# Altium PCB AX7021B.PcbDoc (part 3 of 6) (continued)
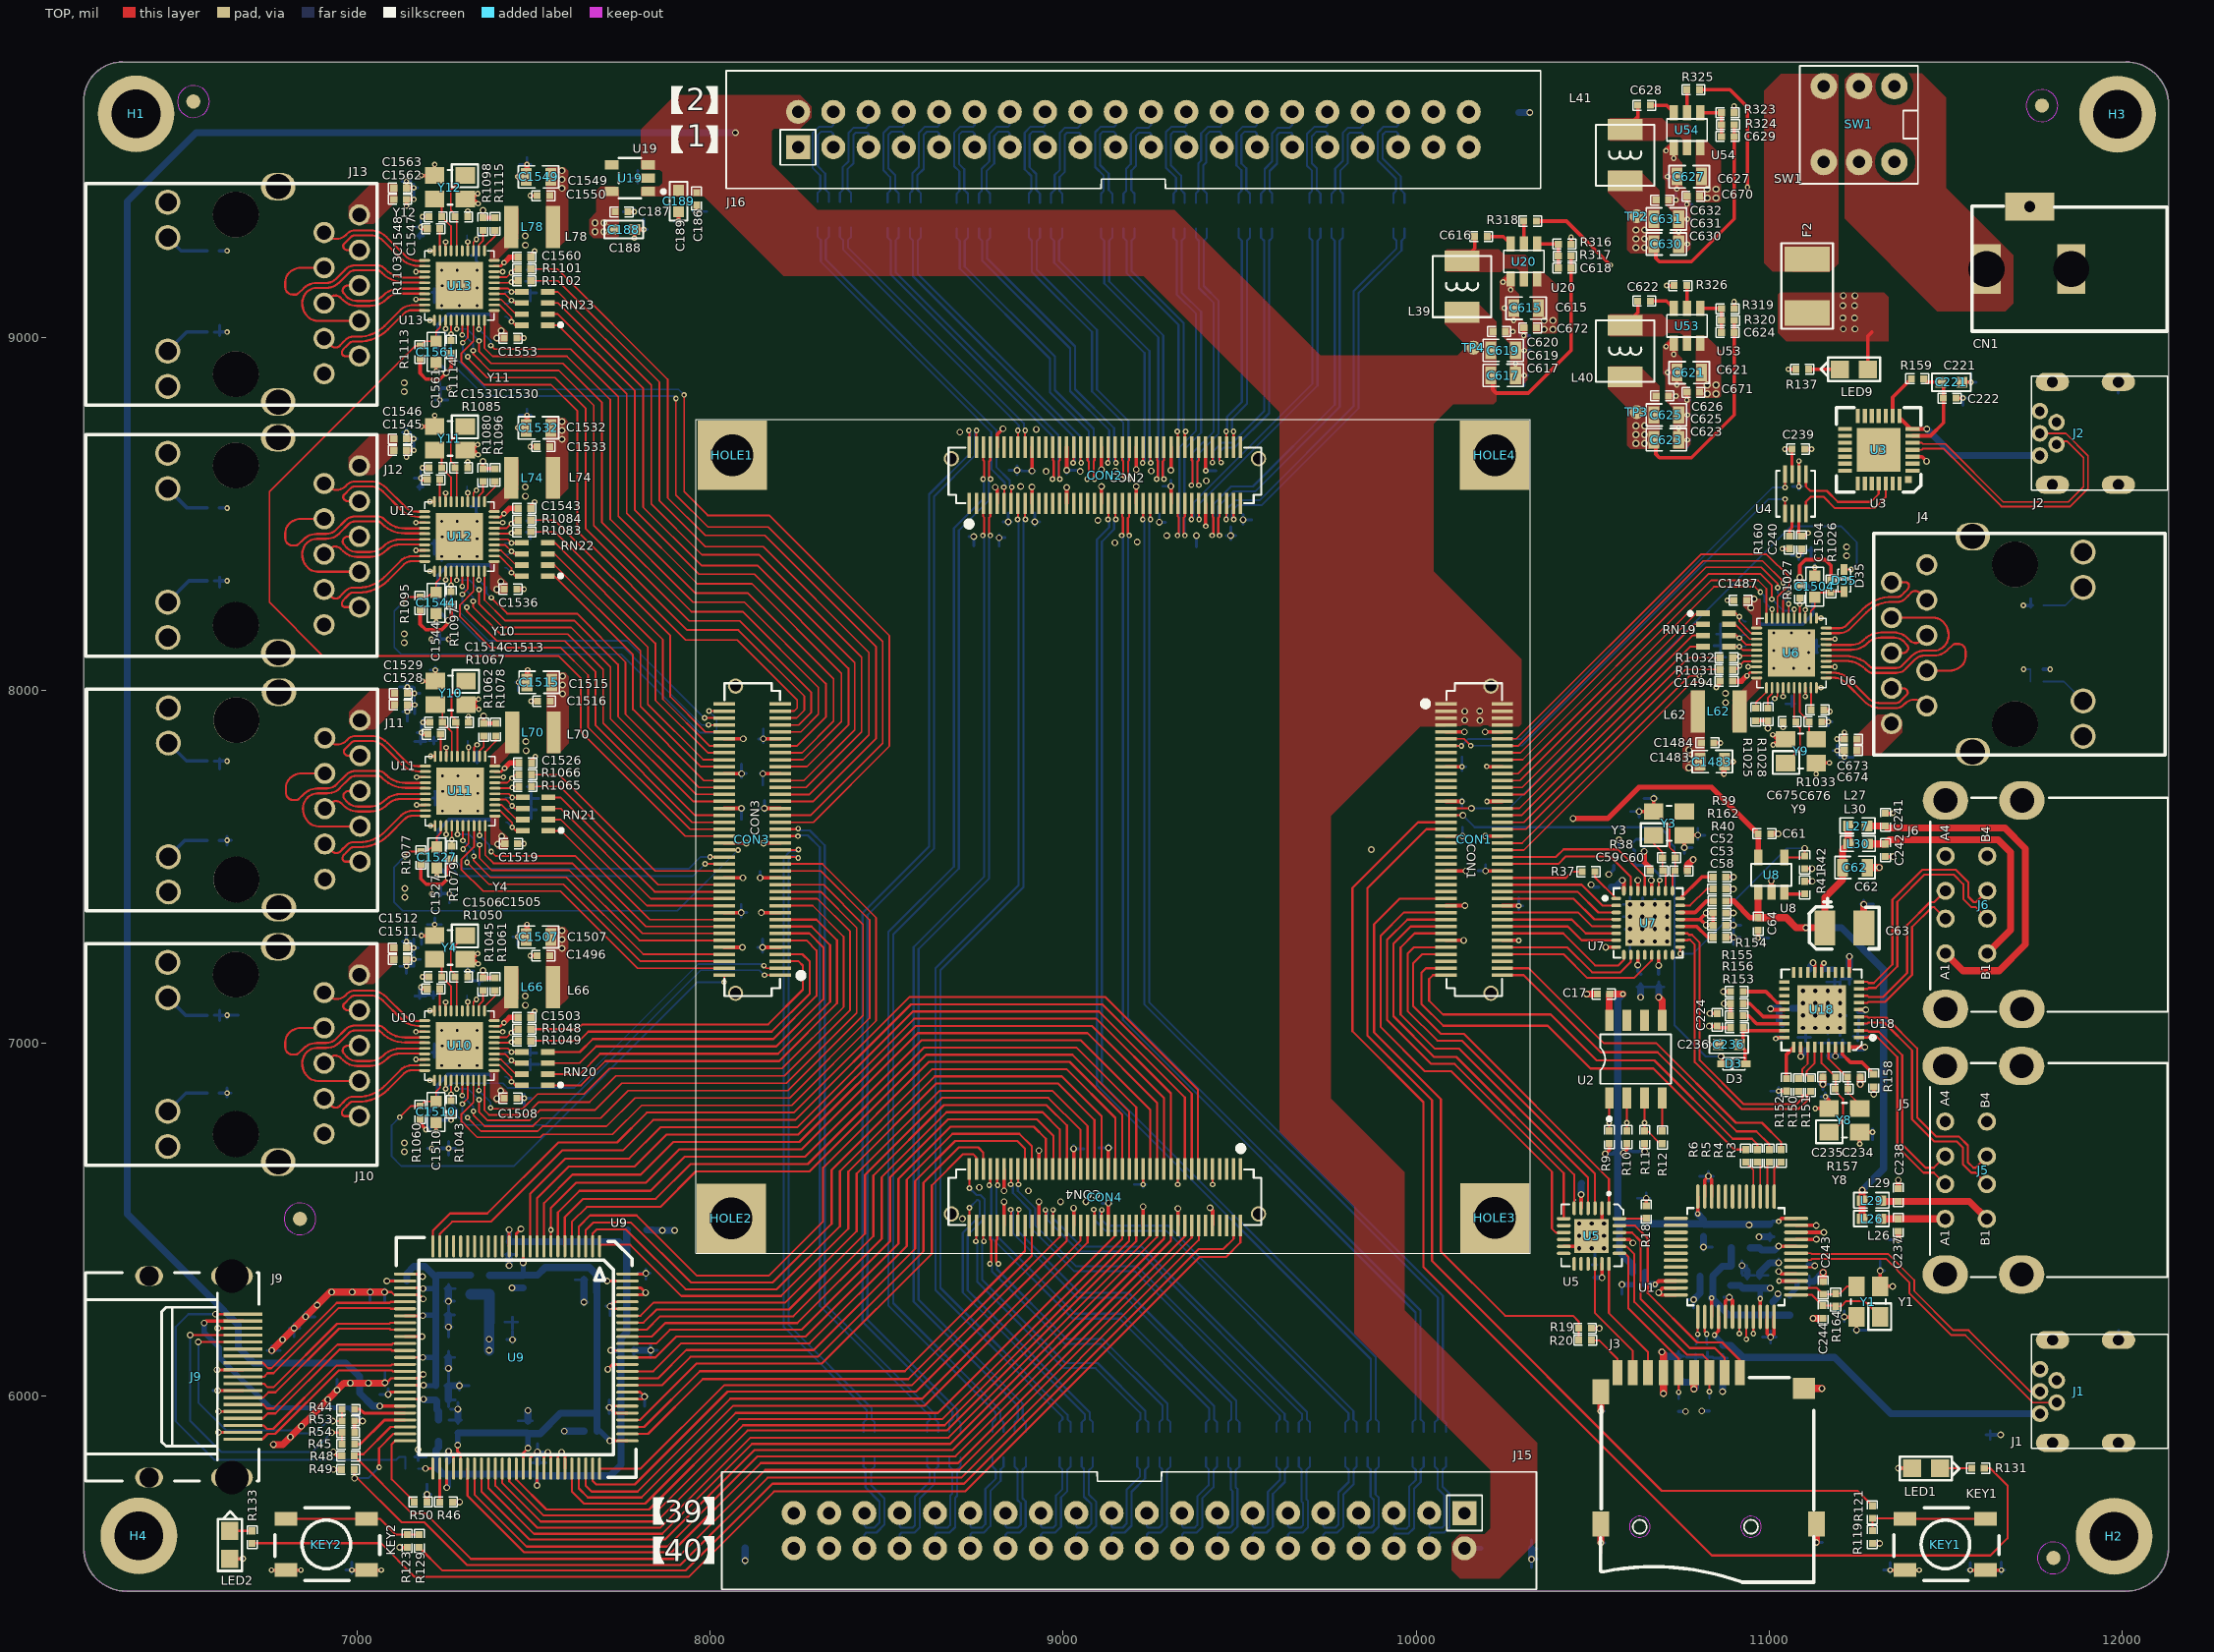
[diagram p0: TOP view]
## Nets (pads, with @x,y where several pads share a name; then routed paths per layer and width w, separated by ;. In a path a pad name is that pad's centre, name@x,y a point inside that pad or via, vN(x,y) a via of type N, cw(c..) or ccw(c..) an arc to the next point about the centre after c; other vN are vias at no path point) (continued)
v2(8148.62,7272.1) ; 8149.49,7732.32 v2(8149.49,7764.23) ; v2@8149.49,7771.88 v2(8149.49,7764.23) ; 8150.61,7852.2 v2(8150.61,7862.65) ; 8150.61,7889.58 v2(8150.61,7862.65) ; v2@8153.76,7657.36 v2(8153.76,7665.8) ; 8153.76,7688.44 v2(8153.76,7665.8) ; v2@8157.17,7764.23 v2(8149.49,7764.23) ; 8161.06,7862.65 v2(8150.61,7862.65) ; v2@8162.2,7665.8 v2(8153.76,7665.8) ; 8163.34,7468.95 v2(8141.77,7468.95) ; 8164.48,7272.1 v2(8148.62,7272.1) ; J15.37@8311.25,5669.85 J15.37@8337.04,5669.85 ; J15.37@8337.04,5662.75 J15.37@8337.04,5669.85 ; J15.37@8337.04,5683.66 J15.37@8337.04,5669.85 ; J15.37@8344.14,5669.85 J15.37@8337.04,5669.85 ; 8733.73,8435.32 v2(8746.7,8435.32) ; 8746.7,8408.69 v2(8746.7,8435.32) ; v2@8746.7,8441.83 v2(8746.7,8435.32) ; v2@8753.21,8435.32 v2(8746.7,8435.32) ; v2@8811.6,8432.32 v2(8818.7,8432.32) ; 8818.7,8409.43 v2(8818.7,8432.32) ; v2@8818.7,8441.09 v2(8818.7,8432.32) ; 8830.01,8477.32 v2(8844.7,8477.32) ; 8835.41,8432.32 v2(8818.7,8432.32) ; 8844.7,8467.09 v2(8844.7,8477.32) ; 8844.7,8502.23 v2(8844.7,8477.32) ; 8846.6,8623.32 v2(8869.7,8623.32) ; v2@8853.47,8477.32 v2(8844.7,8477.32) ; 8869.7,8610.89 v2(8869.7,8623.32) ; 8869.7,8635.62 v2(8869.7,8623.32) ; 8882,8623.32 v2(8869.7,8623.32) ; 8884,8621.32 v2(8911.71,8621.32) ; v2@8910.84,8477.32 v2(8919.7,8477.32) ; v2@8911.71,8613.3 v2(8911.71,8621.32) ; 8911.71,8633.2 v2(8911.71,8621.32) ; 8919.7,8466.83 v2(8919.7,8477.32) ; 8919.7,8502.49 v2(8919.7,8477.32) ; v2@8919.73,8621.32 v2(8911.71,8621.32) ; 8934.12,8477.32 v2(8919.7,8477.32) ; v2@9005.72,8623.32 v2(9010.13,8623.32) ; v2@9010.13,8613.98 v2(9010.13,8623.32) ; v2@9010.13,8632.52 v2(9010.13,8623.32) ; v2@9021.77,6701.64 v2(9029.82,6701.64) ; v2@9029.82,6693.59 v2(9029.82,6701.64) ; 9029.82,6711.91 v2(9029.82,6701.64) ; v2@9040.39,8623.32 v2(9010.13,8623.32) ; 9059.15,6701.64 v2(9029.82,6701.64) ; 9101.32,6704.22 v2(9128.24,6704.22) ; 9110.54,6547.32 v2(9128.24,6547.32) ; 9128.24,6533.14 v2(9128.24,6547.32) ; v2@9128.24,6555.57 v2(9128.24,6547.32) ; 9128.24,6691.54 v2(9128.24,6704.22) ; 9128.24,6713.96 v2(9128.24,6704.22) ; v2@9136.49,6547.32 v2(9128.24,6547.32) ; 9137.98,6704.22 v2(9128.24,6704.22) ; 9202.18,6600.43 v1(9226.67,6600.43) ; 9226.67,6591.98 v1(9226.67,6600.43) ; 9226.67,6615.53 v1(9226.67,6600.43) ; 9235.12,6600.43 v1(9226.67,6600.43) ; v2@9266.59,8476.32 v2(9272.7,8476.32) ; v2@9272.7,8470.21 v2(9272.7,8476.32) ; 9272.7,8499.11 v2(9272.7,8476.32) ; 9283.51,8578.19 v2(9305.41,8578.19) ; 9289.51,8476.32 v2(9272.7,8476.32) ; v2@9305.41,8571.42 v2(9305.41,8578.19) ; 9305.41,8595.89 v2(9305.41,8578.19) ; v2@9310.68,8578.19 v2(9305.41,8578.19) ; v2@9370.3,8438.32 v2(9377.7,8438.32) ; 9377.7,8406.12 v2(9377.7,8438.32) ; v2@9377.7,8444.4 v2(9377.7,8438.32) ; v2@9383.78,8438.32 v2(9377.7,8438.32) ; v1@9399.72,8622.32 v1(9403.83,8622.32) ; v1@9403.83,8616.26 v1(9403.83,8622.32) ; v1@9403.83,8630.24 v1(9403.83,8622.32) ; 9433.01,8622.32 v1(9403.83,8622.32) ; 9462.98,8438.32 v2(9474.7,8438.32) ; 9474.7,8426.6 v2(9474.7,8438.32) ; 9474.7,8463.52 v2(9474.7,8438.32) ; 9489.09,8438.32 v2(9474.7,8438.32) ; v2@9502.69,8483.32 v2(9509.7,8483.32) ; 9509.7,8470.8 v2(9509.7,8483.32) ; 9509.7,8498.52 v2(9509.7,8483.32) ; 9534.09,8483.32 v2(9509.7,8483.32) ; J16.37@10034.75,9538.35 J16.37@10049.04,9538.35 ; J16.37@10049.04,9515.37 J16.37@10049.04,9538.35 ; J16.37@10049.04,9552.64 J16.37@10049.04,9538.35 ; J16.37@10065.66,9538.35 J16.37@10049.04,9538.35 ; 10116.25,7587.06 v2(10131.4,7587.06) ; 10117.68,7783.62 v1(10129.84,7783.62) ; v1@10122.32,7685.62 v1(10129.84,7685.62) ; 10129.84,7666.48 v1(10129.84,7685.62) ; v1@10129.84,7692.26 v1(10129.84,7685.62) ; 10129.84,7772.33 v1(10129.84,7783.62) ; 10129.84,7811.06 v1(10129.84,7783.62) ; 10131.4,7575.9 v2(10131.4,7587.06) ; 10131.4,7611.51 v2(10131.4,7587.06) ; v1@10136.48,7685.62 v1(10129.84,7685.62) ; 10141.13,7783.62 v1(10129.84,7783.62) ; 10142.56,7587.06 v2(10131.4,7587.06) ; 10175.07,7488.64 v2(10196.86,7488.64) ; v2@10196.86,7482.97 v2(10196.86,7488.64) ; 10196.86,7506.45 v2(10196.86,7488.64) ; v2@10202.53,7488.64 v2(10196.86,7488.64) ; HOLE3.1@10209.06,6505.22 HOLE3.1@10223.1,6505.22 ; HOLE3.1@10223.1,6490.26 HOLE3.1@10223.1,6505.22 ; HOLE3.1@10223.1,6519.26 HOLE3.1@10223.1,6505.22 ; HOLE3.1@10247.74,6505.22 HOLE3.1@10223.1,6505.22 ; 10274.09,7389.62 v1(10290.84,7389.62) ; 10290.58,8962.62 v1(10306.1,8962.62) ; 10290.84,7378.96 v1(10290.84,7389.62) ; 10290.84,7412.47 v1(10290.84,7389.62) ; 10293.01,9004.65 v1(10305.1,9004.65) ; v1@10299.08,8891.92 v1(10306.04,8891.92) ; 10301.5,7389.62 v1(10290.84,7389.62) ; 10305.1,8982.13 v1(10305.1,9004.65) ; 10305.1,9016.74 v1(10305.1,9004.65) ; 10306.04,8862.4 v1(10306.04,8891.92) ; v1@10306.04,8898.88 v1(10306.04,8891.92) ; 10306.1,8941.53 v1(10306.1,8962.62) ; 10306.1,8978.14 v1(10306.1,8962.62) ; 10316.12,8891.92 v1(10306.04,8891.92) ; v2@10321.06,5538.85 v2(10327.04,5538.85) ; C190.2@10321.06,5568.85 C190.2@10327.04,5568.85 ; 10322.18,9004.65 v1(10305.1,9004.65) ; 10324.61,8962.62 v1(10306.1,8962.62) ; 10327.04,5515.16 v2(10327.04,5538.85) ; 10327.04,5593.65 C190.2@10327.04,5568.85 ; 10341.83,5568.85 C190.2@10327.04,5568.85 ; 10342.95,5538.85 v2(10327.04,5538.85) ; 10451.9,6419.85 v2(10462.04,6419.85) ; 10462.04,6409.71 v2(10462.04,6419.85) ; 10462.04,6441.42 v2(10462.04,6419.85) ; 10480.07,6419.85 v2(10462.04,6419.85) ; C23.2@10498.93,6372.82 C23.2@10506.54,6372.82 ; C23.2@10506.54,6367.12 C23.2@10506.54,6372.82 ; 10506.54,6404.81 C23.2@10506.54,6372.82 ; 10510.47,6489.85 v2(10532.04,6489.85) ; C23.2@10512.24,6372.82 C23.2@10506.54,6372.82 ; v2@10516.53,5585.15 v2(10523.34,5585.15) ; v2@10517.62,5958.15 v2(10523.34,5958.15) ; 10523.34,5556.45 v2(10523.34,5585.15) ; v2@10523.34,5591.96 v2(10523.34,5585.15) ; v2@10523.34,5952.43 v2(10523.34,5958.15) ; 10523.34,5987.95 v2(10523.34,5958.15) ; 10532.04,6471.82 v2(10532.04,6489.85) ; v2@10532.04,6498.1 v2(10532.04,6489.85) ; 10533.14,5958.15 v2(10523.34,5958.15) ; 10534.24,5585.15 v2(10523.34,5585.15) ; v2@10540.29,6489.85 v2(10532.04,6489.85) ; v2@10575.06,6316.85 v2(10582.75,6316.85) ; 10582.75,6289 v2(10582.75,6316.85) ; v2@10582.75,6324.54 v2(10582.75,6316.85) ; 10586.65,7393.85 v2(10606.04,7393.85) ; 10587.51,7358.85 v2(10606.04,7358.85) ; 10592.11,7323.85 v2(10606.04,7323.85) ; v2@10596.71,7288.85 v2(10606.04,7288.85) ; 10606.04,7258.58 v2(10606.04,7288.85) ; v2@10606.04,7295.26 v2(10606.04,7288.85) ; v2@10606.04,7298.18 v2(10606.04,7323.85) ; 10606.04,7334.86 v2(10606.04,7323.85) ; 10606.04,7337.78 v2(10606.04,7358.85) ; 10606.04,7374.46 v2(10606.04,7358.85) ; 10606.04,7377.38 v2(10606.04,7393.85) ; 10606.04,7414.05 v2(10606.04,7393.85) ; 10608.22,7656.74 v2(10631.75,7656.74) ; v2@10612.45,7288.85 v2(10606.04,7288.85) ; 10617.05,7323.85 v2(10606.04,7323.85) ; 10621.65,7358.85 v2(10606.04,7358.85) ; 10622.51,7393.85 v2(10606.04,7393.85) ; C54.2@10626.1,7159.85 C54.2@10636.04,7159.85 ; 10626.24,7393.85 v2(10641.04,7393.85) ; 10627.03,6561.51 v2(10651.85,6561.51) ; 10627.11,7358.85 v2(10641.04,7358.85) ; v2@10631.71,7323.85 v2(10641.04,7323.85) ; 10631.75,7640.67 v2(10631.75,7656.74) ; v2@10631.75,7665.53 v2(10631.75,7656.74) ; C54.2@10636.04,7169.79 C54.2@10636.04,7159.85 ; v2@10639.78,7543.85 v2(10646.04,7543.85) ; v2@10640.54,7656.74 v2(10631.75,7656.74) ; 10641.04,7299.86 v2(10641.04,7323.85) ; v2@10641.04,7333.18 v2(10641.04,7323.85) ; 10641.04,7339.46 v2(10641.04,7358.85) ; 10641.04,7372.78 v2(10641.04,7358.85) ; 10641.04,7379.05 v2(10641.04,7393.85) ; 10641.04,7412.38 v2(10641.04,7393.85) ; 10645.24,7693.76 v2(10673.05,7693.76) ; v2@10646.04,7536.17 v2(10646.04,7543.85) ; 10646.04,7557.12 v2(10646.04,7543.85) ; v2@10651.85,6552.03 v2(10651.85,6561.51) ; 10651.85,6576.28 v2(10651.85,6561.51) ; v2@10653.72,7543.85 v2(10646.04,7543.85) ; 10656.65,7323.85 v2(10641.04,7323.85) ; 10661.24,7358.85 v2(10641.04,7358.85) ; v2@10661.33,6561.51 v2(10651.85,6561.51) ; 10662.11,7393.85 v2(10641.04,7393.85) ; 10662.25,7159.85 C54.2@10636.04,7159.85 ; 10665.7,7159.85 C56.2@10687.04,7159.85 ; 10665.84,7393.85 v2(10676.04,7393.85) ; v2@10666.71,7358.85 v2(10676.04,7358.85) ; 10673.05,7681.97 v2(10673.05,7693.76) ; 10673.05,7703.43 v2(10673.05,7693.76) ; 10676.04,7344.05 v2(10676.04,7358.85) ; v2@10676.04,7368.18 v2(10676.04,7358.85) ; 10676.04,7383.65 v2(10676.04,7393.85) ; 10676.04,7407.78 v2(10676.04,7393.85) ; 10682.72,7693.76 v2(10673.05,7693.76) ; 10687.04,7174.66 C56.2@10687.04,7159.85 ; 10700.84,7358.85 v2(10676.04,7358.85) ; v2@10701.71,7393.85 v2(10676.04,7393.85) ; 10701.85,7159.85 C56.2@10687.04,7159.85 ; 10703.58,8900.43 v1(10712.61,8900.43) ; 10703.94,9455.18 v1(10712.61,9455.18) ; 10712.61,8891.4 v1(10712.61,8900.43) ; 10712.61,8909.47 v1(10712.61,8900.43) ; 10712.61,9445.77 v1(10712.61,9455.18) ; 10712.61,9463.85 v1(10712.61,9455.18) ; v1@10730.14,9388.65 v1(10736.14,9388.65) ; v1@10736.14,9382.65 v1(10736.14,9388.65) ; 10736.14,9408.18 v1(10736.14,9388.65) ; 10742.8,9455.18 v1(10712.61,9455.18) ; 10743.16,8900.43 v1(10712.61,8900.43) ; 10743.51,6089.32 C22.2@10743.51,6113.51 ; C22.2@10743.51,6128.24 C22.2@10743.51,6113.51 ; 10744.04,8822.11 v1(10767.14,8822.11) ; 10744.36,9334.83 v1(10768.14,9334.83) ; 10744.42,9376.86 v1(10767.14,9376.86) ; 10744.74,8780.08 v1(10768.14,8780.08) ; 10750.1,8709.38 v1(10768.08,8709.38) ; 10750.48,9264.13 v1(10768.08,9264.13) ; v2@10750.98,7554.56 v2(10759.67,7554.56) ; 10756.21,9388.65 v1(10736.14,9388.65) ; C22.2@10758.24,6113.51 C22.2@10743.51,6113.51 ; 10759.67,7537.61 v2(10759.67,7554.56) ; 10759.67,7570.6 v2(10759.67,7554.56) ; 10765.25,6111.06 C4.1@10791.52,6111.06 ; 10767.14,8805.61 v1(10767.14,8822.11) ; 10767.14,8830.81 v1(10767.14,8822.11) ; 10767.14,9359.98 v1(10767.14,9376.86) ; 10767.14,9391.24 v1(10767.14,9376.86) ; 10768.08,8687.76 v1(10768.08,8709.38) ; v1@10768.08,8717.14 v1(10768.08,8709.38) ; 10768.08,9255.54 v1(10768.08,9264.13) ; v1@10768.08,9271.51 v1(10768.08,9264.13) ; 10768.14,8767.01 v1(10768.14,8780.08) ; 10768.14,8796.27 v1(10768.14,8780.08) ; 10768.14,9321.39 v1(10768.14,9334.83) ; 10768.14,9350.65 v1(10768.14,9334.83) ; 10769.65,6273.85 v2(10786.04,6273.85) ; v1@10775.46,9264.13 v1(10768.08,9264.13) ; v1@10775.84,8709.38 v1(10768.08,8709.38) ; 10775.84,8822.11 v1(10767.14,8822.11) ; 10781.21,8780.08 v1(10768.14,8780.08) ; 10781.52,9376.86 v1(10767.14,9376.86) ; 10781.58,9334.83 v1(10768.14,9334.83) ; 10782.32,7554.56 v2(10759.67,7554.56) ; 10786.04,6250.65 v2(10786.04,6273.85) ; 10786.04,6283.7 v2(10786.04,6273.85) ; 10786.66,7589.82 v2(10798.09,7589.82) ; 10791.52,6097.73 C4.1@10791.52,6111.06 ; C4.1@10791.52,6119.83 C4.1@10791.52,6111.06 ; 10795.89,6273.85 v2(10786.04,6273.85) ; 10798.09,7578.39 v2(10798.09,7589.82) ; 10798.09,7609.02 v2(10798.09,7589.82) ; C4.1@10800.29,6111.06 C4.1@10791.52,6111.06 ; 10802.86,6623.85 v2(10828.04,6623.85) ; 10804.85,6111.06 C3.1@10825.04,6111.06 ; v2@10805.28,6422.85 v2(10814.04,6422.85) ; v2@10814.04,6414.09 v2(10814.04,6422.85) ; 10818.48,7589.82 v2(10798.09,7589.82) ; 10825.04,6091.66 C3.1@10825.04,6111.06 ; 10825.04,6125.91 C3.1@10825.04,6111.06 ; 10828.04,6609.43 v2(10828.04,6623.85) ; 10828.04,6637.68 v2(10828.04,6623.85) ; 10839.45,6422.85 v2(10814.04,6422.85) ; 10839.89,6111.06 C3.1@10825.04,6111.06 ; 10841.87,6623.85 v2(10828.04,6623.85) ; 10842.23,6108.85 C1.2@10868.04,6108.85 ; 10843.82,8126.62 R1036.1@10862.21,8126.62 ; 10847.47,8093.98 R1042.1@10862.21,8093.98 ; 10850.78,8159.26 R1037.1@10862.21,8159.26 ; R1041.1@10854.43,8061.34 R1041.1@10862.21,8061.34 ; 10862.21,8029.53 R1041.1@10862.21,8061.34 ; R1041.1@10862.21,8068.64 R1041.1@10862.21,8061.34 ; R1041.1@10862.21,8069.12 R1042.1@10862.21,8093.98 ; 10862.21,8108.23 R1042.1@10862.21,8093.98 ; 10862.21,8108.72 R1036.1@10862.21,8126.62 ; 10862.21,8147.83 R1036.1@10862.21,8126.62 ; 10862.21,8148.32 R1037.1@10862.21,8159.26 ; 10862.21,8187.43 R1037.1@10862.21,8159.26 ; C1.2@10868.04,6118.84 C1.2@10868.04,6108.85 ; R1041.1@10869.51,8061.34 R1041.1@10862.21,8061.34 ; 10871.94,6280.85 v2(10887.04,6280.85) ; 10873.15,8159.26 R1037.1@10862.21,8159.26 ; 10876.46,8093.98 R1042.1@10862.21,8093.98 ; 10877.2,8126.62 R1036.1@10862.21,8126.62 ; 10881.7,6108.85 C1.2@10868.04,6108.85 ; 10885.58,7300.53 v2(10898.5,7300.53) ; v2@10887.04,6272.45 v2(10887.04,6280.85) ; v2@10887.04,6288.34 v2(10887.04,6280.85) ; 10887.62,7334.91 v2(10898.5,7334.91) ; v2@10895.44,6280.85 v2(10887.04,6280.85) ; 10898.5,7279.99 v2(10898.5,7300.53) ; 10898.5,7313.45 v2(10898.5,7300.53) ; 10898.5,7319.58 v2(10898.5,7334.91) ; 10898.5,7353.05 v2(10898.5,7334.91) ; 10917.55,7300.53 v2(10898.5,7300.53) ; v2@10918.56,6370.85 v2(10923.04,6370.85) ; 10919.96,7334.91 v2(10898.5,7334.91) ; 10923.04,6348.05 v2(10923.04,6370.85) ; 10923.04,6384.29 v2(10923.04,6370.85) ; 10924.88,6342.85 C10.2@10938.04,6342.85 ; 10936.48,6370.85 v2(10923.04,6370.85) ; C10.2@10938.04,6332.86 C10.2@10938.04,6342.85 ; 10957.44,6342.85 C10.2@10938.04,6342.85 ; v1@10962.31,7298.07 v1(10968.7,7298.07) ; C16.2@10964.48,6342.85 C16.2@10973.04,6342.85 ; 10968.7,7288.98 v1(10968.7,7298.07) ; v1@10968.7,7304.46 v1(10968.7,7298.07) ; C16.2@10973.04,6334.29 C16.2@10973.04,6342.85 ; 10981.09,6167.85 v2(11004.04,6167.85) ; 10997.04,6342.85 C16.2@10973.04,6342.85 ; 10999.21,7298.07 v1(10968.7,7298.07) ; 11002.04,6440.86 C11.2@11002.04,6451.85 ; C11.2@11002.04,6461.84 C11.2@11002.04,6451.85 ; 11004.04,6151.86 v2(11004.04,6167.85) ; 11004.04,6184.5 v2(11004.04,6167.85) ; 11004.17,6864.75 v1(11026.5,6864.75) ; 11013.88,6451.85 C11.2@11002.04,6451.85 ; 11020.03,6167.85 v2(11004.04,6167.85) ; 11026.37,8074.89 C1492.2@11045.5,8074.89 ; 11026.5,6847.49 v1(11026.5,6864.75) ; 11026.5,6874.8 v1(11026.5,6864.75) ; v2@11027.04,6372.85 v2(11027.04,6378.85) ; 11027.04,6389.06 v2(11027.04,6378.85) ; v2@11033.04,6378.85 v2(11027.04,6378.85) ; 11036.55,6864.75 v1(11026.5,6864.75) ; C1492.2@11045.5,8054.42 C1492.2@11045.5,8074.89 ; C1492.2@11045.5,8083.34 C1492.2@11045.5,8074.89 ; 11048.21,7961.83 C1488.2@11064.73,7961.83 ; C1492.2@11053.95,8074.89 C1492.2@11045.5,8074.89 ; 11063.47,8382.15 v1(11083.62,8382.15) ; C1488.2@11064.73,7954.86 C1488.2@11064.73,7961.83 ; 11064.73,7984.91 C1488.2@11064.73,7961.83 ; 11066.1,8577.51 v1(11084.53,8577.51) ; C1488.2@11071.48,7961.83 C1488.2@11064.73,7961.83 ; 11081.57,7017.72 C229.2@11103.73,7017.72 ; 11083.62,8369.73 v1(11083.62,8382.15) ; 11083.62,8401.6 v1(11083.62,8382.15) ; 11084.53,8568.63 v1(11084.53,8577.51) ; 11084.53,8598.68 v1(11084.53,8577.51) ; v2@11090.28,7148.85 v2(11096.04,7148.85) ; 11093.41,8577.51 v1(11084.53,8577.51) ; v2@11096.04,7122.04 v2(11096.04,7148.85) ; v2@11096.04,7154.61 v2(11096.04,7148.85) ; 11096.04,8382.15 v1(11083.62,8382.15) ; v2@11099.64,7078.85 v2(11131.04,7078.85) ; 11101.38,8106.65 v1(11112.02,8106.65) ; 11102.07,8348.59 v1(11129.13,8348.59) ; 11102.56,6325.85 C15.2@11114.04,6325.85 ; 11103.73,7005.24 C229.2@11103.73,7017.72 ; 11103.73,7035.16 C229.2@11103.73,7017.72 ; 11108.83,7148.85 v2(11096.04,7148.85) ; C1489.2@11110.73,8396.84 C1489.2@11118.61,8396.84 ; 11112.02,8096.01 v1(11112.02,8106.65) ; 11112.02,8120.94 v1(11112.02,8106.65) ; 11114.04,6312.08 C15.2@11114.04,6325.85 ; 11114.04,6341.06 C15.2@11114.04,6325.85 ; 11117.54,7017.72 C229.2@11103.73,7017.72 ; 11118.61,8366.61 C1489.2@11118.61,8396.84 ; C1489.2@11118.61,8404.72 C1489.2@11118.61,8396.84 ; 11122.14,8125.49 C1485.2@11134.26,8125.49 ; v2@11127.05,5586.31 v2(11133.58,5586.31) ; C1489.2@11127.98,8396.84 C1489.2@11118.61,8396.84 ; 11129.13,8336.04 v1(11129.13,8348.59) ; v1@11129.13,8356.09 v1(11129.13,8348.59) ; v2@11131.04,7070.82 v2(11131.04,7078.85) ; v2@11131.04,7087.04 v2(11131.04,7078.85) ; v2@11133.58,5579.78 v2(11133.58,5586.31) ; 11133.58,5608.23 v2(11133.58,5586.31) ; 11134.26,8113.37 C1485.2@11134.26,8125.49 ; 11134.26,8143.18 C1485.2@11134.26,8125.49 ; v1@11136.63,8348.59 v1(11129.13,8348.59) ; 11137.32,8106.65 v1(11112.02,8106.65) ; v2@11139.07,7078.85 v2(11131.04,7078.85) ; v2@11139.23,7078.85 v2(11166.04,7078.85) ; 11140.62,7001.2 C231.2@11168.16,7001.2 ; C1485.2@11141.14,8125.49 C1485.2@11134.26,8125.49 ; 11142.43,6884.22 v2(11152.04,6884.22) ; 11143.67,7043.85 v2(11166.04,7043.85) ; 11143.83,7113.85 v2(11166.04,7113.85) ; 11147.18,6849.37 v1(11159.67,6849.37) ; 11147.3,7911.24 v1(11168.02,7911.24) ; 11151.25,5586.31 v2(11133.58,5586.31) ; 11152.04,6868.05 v2(11152.04,6884.22) ; 11152.04,6893.83 v2(11152.04,6884.22) ; 11159.67,6822.26 v1(11159.67,6849.37) ; 11159.67,6860.42 v1(11159.67,6849.37) ; 11163.09,7173.79 C233.2@11185.56,7173.79 ; 11166.04,7026.62 v2(11166.04,7043.85) ; v2@11166.04,7052.04 v2(11166.04,7043.85) ; 11166.04,7066.22 v2(11166.04,7078.85) ; 11166.04,7091.64 v2(11166.04,7078.85) ; v2@11166.04,7105.82 v2(11166.04,7113.85) ; 11166.04,7131.24 v2(11166.04,7113.85) ; 11168.02,7899.76 v1(11168.02,7911.24) ; 11168.02,7921.22 v1(11168.02,7911.24) ; 11168.16,6989.15 C231.2@11168.16,7001.2 ; C231.2@11168.16,7010.33 C231.2@11168.16,7001.2 ; 11170.72,6849.37 v1(11159.67,6849.37) ; v2@11174.07,7113.85 v2(11166.04,7113.85) ; v2@11174.23,7043.85 v2(11166.04,7043.85) ; 11175.47,6884.22 v2(11152.04,6884.22) ; C231.2@11177.29,7001.2 C231.2@11168.16,7001.2 ; 11178,7911.24 v1(11168.02,7911.24) ; 11178.67,7078.85 v2(11166.04,7078.85) ; 11178.83,7078.85 v2(11201.04,7078.85) ; 11180.21,7001.2 C230.2@11208.04,7001.2 ; 11180.63,7829.41 v1(11192.57,7829.41) ; 11183.27,7043.85 v2(11201.04,7043.85) ; 11183.43,7113.85 v2(11201.04,7113.85) ; C233.2@11185.56,7164.93 C233.2@11185.56,7173.79 ; 11185.56,7186.28 C233.2@11185.56,7173.79 ; 11188.03,7148.85 v2(11201.04,7148.85) ; 11192.57,7817.47 v1(11192.57,7829.41) ; 11192.57,7845.11 v1(11192.57,7829.41) ; C233.2@11194.42,7173.79 C233.2@11185.56,7173.79 ; 11199.01,7811.03 v1(11213.02,7811.03) ; 11200.98,6225.14 v2(11212.93,6225.14) ; 11201.04,7022.03 v2(11201.04,7043.85) ; 11201.04,7056.64 v2(11201.04,7043.85) ; 11201.04,7061.62 v2(11201.04,7078.85) ; 11201.04,7096.24 v2(11201.04,7078.85) ; 11201.04,7101.22 v2(11201.04,7113.85) ; 11201.04,7135.84 v2(11201.04,7113.85) ; v2@11201.04,7140.82 v2(11201.04,7148.85) ; 11201.04,7175.43 v2(11201.04,7148.85) ; 11203.25,7182.62 C226.2@11227.33,7182.62 ; 11208.04,6989.43 C230.2@11208.04,7001.2 ; C230.2@11208.04,7010.04 C230.2@11208.04,7001.2 ; v2@11209.07,7148.85 v2(11201.04,7148.85) ; 11212.93,6213.19 v2(11212.93,6225.14) ; 11212.93,6241.96 v2(11212.93,6225.14) ; 11213.02,7797.02 v1(11213.02,7811.03) ; 11213.02,7825.96 v1(11213.02,7811.03) ; 11213.67,7113.85 v2(11201.04,7113.85) ; 11213.83,7043.85 v2(11201.04,7043.85) ; 11216.47,7829.41 v1(11192.57,7829.41) ; C230.2@11216.88,7001.2 C230.2@11208.04,7001.2 ; 11218.27,7078.85 v2(11201.04,7078.85) ; 11227.33,7167.11 C226.2@11227.33,7182.62 ; C226.2@11227.33,7188.74 C226.2@11227.33,7182.62 ; C226.2@11233.45,7182.62 C226.2@11227.33,7182.62 ; 11235.71,6225.14 v2(11212.93,6225.14) ; 11237.69,7811.03 v1(11213.02,7811.03) ; v2@11238.33,6188.16 v2(11247.48,6188.16) ; 11238.92,7020.31 C223.2@11251.35,7020.31 ; 11242.66,7054.62 C225.2@11253.33,7054.62 ; 11247.48,6178.64 v2(11247.48,6188.16) ; v2@11247.48,6197.31 v2(11247.48,6188.16) ; 11251.35,7007.82 C223.2@11251.35,7020.31 ; 11251.35,7032.74 C223.2@11251.35,7020.31 ; 11253.33,7043.95 C225.2@11253.33,7054.62 ; 11253.33,7067.1 C225.2@11253.33,7054.62 ; v2@11259.69,7393.97 v2(11268.16,7393.97) ; v2@11268.16,7385.5 v2(11268.16,7393.97) ; 11268.16,7405.93 v2(11268.16,7393.97) ; 11273.23,7054.62 C225.2@11253.33,7054.62 ; 11276.97,7020.31 C223.2@11251.35,7020.31 ; 11277.56,6188.16 v2(11247.48,6188.16) ; 11284.13,6748.73 v1(11293.15,6748.73) ; 11293.15,6726.94 v1(11293.15,6748.73) ; 11293.15,6757.75 v1(11293.15,6748.73) ; 11295.8,7393.97 v2(11268.16,7393.97) ; v1@11298.02,6748.73 v1(11293.15,6748.73) ; v2@11308,6355.71 v2(11314.4,6355.71) ; v2@11314.4,6349.31 v2(11314.4,6355.71) ; 11314.4,6383.02 v2(11314.4,6355.71) ; 11324.1,5508.05 v1(11342.64,5508.05) ; 11326.68,6355.71 v2(11314.4,6355.71) ; 11338.6,6443.91 v2(11366.1,6443.91) ; v1@11342.64,5500.51 v1(11342.64,5508.05) ; 11342.64,5529.11 v1(11342.64,5508.05) ; v1@11350.18,5508.05 v1(11342.64,5508.05) ; v2@11366.1,6434.72 v2(11366.1,6443.91) ; 11366.1,6456 v2(11366.1,6443.91) ; v2@11375.29,6443.91 v2(11366.1,6443.91) ; J5.S1@11476.53,6345.57 J5.S1@11498.69,6345.57 ; J6.S1@11476.89,7097.57 J6.S1@11499.69,7097.57 ; J5.A4@11479.03,6778.65 J5.A4@11498.69,6778.65 ; J6.A4@11479.39,7530.65 J6.A4@11499.69,7530.65 ; J5.S3@11479.94,6936.13 J5.S3@11498.69,6936.13 ; J6.S3@11480.3,7688.13 J6.S3@11499.69,7688.13 ; J5.S1@11498.69,6329.73 J5.S1@11498.69,6345.57 ; J5.S1@11498.69,6363.01 J5.S1@11498.69,6345.57 ; J5.A4@11498.69,6765.3 J5.A4@11498.69,6778.65 ; J5.A4@11498.69,6798.59 J5.A4@11498.69,6778.65 ; J5.S3@11498.69,6923.7 J5.S3@11498.69,6936.13 ; J5.S3@11498.69,6956.98 J5.S3@11498.69,6936.13 ; J6.S1@11499.69,7083.09 J6.S1@11499.69,7097.57 ; J6.S1@11499.69,7114.37 J6.S1@11499.69,7097.57 ; J6.A4@11499.69,7518.66 J6.A4@11499.69,7530.65 ; J6.A4@11499.69,7549.95 J6.A4@11499.69,7530.65 ; J6.S3@11499.69,7677.05 J6.S3@11499.69,7688.13 ; J6.S3@11499.69,7708.34 J6.S3@11499.69,7688.13 ; J6.S3@11510.77,7688.13 J6.S3@11499.69,7688.13 ; J5.S3@11511.12,6936.13 J5.S3@11498.69,6936.13 ; J6.A4@11511.68,7530.65 J6.A4@11499.69,7530.65 ; J5.A4@11512.04,6778.65 J5.A4@11498.69,6778.65 ; J6.S1@11514.17,7097.57 J6.S1@11499.69,7097.57 ; J5.S1@11514.53,6345.57 J5.S1@11498.69,6345.57 ; v1@11541.65,8827.76 v1(11548.66,8827.76) ; 11548.66,8807.71 v1(11548.66,8827.76) ; v1@11548.66,8834.77 v1(11548.66,8827.76) ; 11561.69,5508.05 v1(11569.92,5508.05) ; 11562.72,8872.85 v1(11572.01,8872.85) ; J4.16@11564.03,8435.96 J4.16@11576.47,8435.96 ; 11568.21,8827.76 v1(11548.66,8827.76) ; 11569.92,5499.82 v1(11569.92,5508.05) ; 11569.92,5529.8 v1(11569.92,5508.05) ; 11572.01,8863.56 v1(11572.01,8872.85) ; 11572.01,8897.72 v1(11572.01,8872.85) ; J4.16@11576.47,8427 J4.16@11576.47,8435.96 ; J4.16@11576.47,8463.12 J4.16@11576.47,8435.96 ; J4.16@11585.43,8435.96 J4.16@11576.47,8435.96 ; 11586.74,8872.85 v1(11572.01,8872.85) ; 11587.77,5508.05 v1(11569.92,5508.05) ; J5.B4@11597.82,6778.65 J5.B4@11616.8,6778.65 ; J6.B4@11598.19,7530.65 J6.B4@11617.8,7530.65 ; C2.2@11614.65,5891.32 C2.2@11626.26,5891.32 ; J5.B4@11616.8,6764.62 J5.B4@11616.8,6778.65 ; J5.B4@11616.8,6799.27 J5.B4@11616.8,6778.65 ; J6.B4@11617.8,7517.98 J6.B4@11617.8,7530.65 ; J6.B4@11617.8,7550.63 J6.B4@11617.8,7530.65 ; C2.2@11626.26,5879.06 C2.2@11626.26,5891.32 ; C2.2@11626.26,5902.93 C2.2@11626.26,5891.32 ; J6.B4@11630.47,7530.65 J6.B4@11617.8,7530.65 ; J5.B4@11630.83,6778.65 J5.B4@11616.8,6778.65 ; 11640.89,5508.05 v1(11657.84,5508.05) ; 11657.84,5498.93 v1(11657.84,5508.05) ; 11657.84,5530.7 v1(11657.84,5508.05) ; 11666.96,5508.05 v1(11657.84,5508.05) ; R1034.2@11740.54,8234.7 R1034.2@11740.54,8240.59 ; 11740.54,8259.45 R1034.2@11740.54,8240.59 ; R1034.2@11746.43,8240.59 R1034.2@11740.54,8240.59 ; J1.5@11760.87,6077.13 J1.5@11767.3,6077.13 ; J1.5@11767.3,6054.8 J1.5@11767.3,6077.13 ; J1.5@11767.3,6083.56 J1.5@11767.3,6077.13 ; J2.6@11774.06,8582.31 J2.6@11802.23,8582.31 ; J1.5@11784.57,6077.13 J1.5@11767.3,6077.13 ; J1.6@11795.24,5868.47 J1.6@11802.73,5868.47 ; J2.6@11802.23,8573.56 J2.6@11802.23,8582.31 ; J2.6@11802.23,8593.74 J2.6@11802.23,8582.31 ; J1.6@11802.73,5860.98 J1.6@11802.73,5868.47 ; J1.6@11802.73,5881.41 J1.6@11802.73,5868.47 ; J2.6@11810.98,8582.31 J2.6@11802.23,8582.31 ; J1.6@11829.39,5868.47 J1.6@11802.73,5868.47 ; CN1.1@11836.27,9193.27 CN1.1@11856.04,9193.27 ; CN1.1@11856.04,9181.75 CN1.1@11856.04,9193.27 ; CN1.1@11856.04,9213.1 CN1.1@11856.04,9193.27 ; CN1.1@11867.56,9193.27 CN1.1@11856.04,9193.27 ; J2.8@11972.05,8582.31 J2.8@11989.24,8582.31 ; J1.9@11979.08,6159.81 J1.9@11989.74,6159.81 ; J2.9@11983.52,8873.65 J2.9@11989.24,8873.65 ; J2.8@11989.24,8565.12 J2.8@11989.24,8582.31 ; J2.8@11989.24,8602.19 J2.8@11989.24,8582.31 ; 11989.24,8842.31 J2.9@11989.24,8873.65 ; J2.9@11989.24,8879.37 J2.9@11989.24,8873.65 ; J1.9@11989.74,6149.15 J1.9@11989.74,6159.81 ; 11989.74,6187.21 J1.9@11989.74,6159.81 ; J2.9@11997.5,8873.65 J2.9@11989.24,8873.65 ; J1.9@12001.94,6159.81 J1.9@11989.74,6159.81 ; J2.8@12008.96,8582.31 J2.8@11989.24,8582.31
  BOTTOM w10: R1051.2@6610.55,6859.35 v1(6631.97,6859.35) ; R1052.2@6610.55,7079.69 v1(6631.97,7079.69) ; R1068.2@6610.55,7575.14 v1(6631.97,7575.14) ; R1069.2@6610.55,7799.8 v1(6631.97,7799.8) ; R1086.2@6610.55,8310.23 v1(6631.97,8310.23) ; R1087.2@6610.55,8516.45 v1(6631.97,8516.45) ; R1104.2@6610.55,9015.02 v1(6631.97,9015.02) ; R1105.2@6610.55,9244.96 v1(6631.97,9244.96) ; R52.2@7172.8,5828.32 v2(7172.8,5849.42) ; v1(7210.14,8144.86) C1538.2@7234.47,8144.86 v1(7258.81,8144.86) ; v1(7211.16,6702.85) v1(7259.22,6702.85) ; v1(7212.13,7423.86) C1521.2@7236.47,7423.86 v1(7261.23,7423.86) ; v1(7234.47,8822.8) C1555.2@7234.47,8855.86 v1(7260.08,8855.86) ; v2(10495.7,7449.3) 10502.15,7442.85 C55.2@10517.04,7442.85 ; v2(10545.84,7478.67) 10559.76,7492.59 C57.2@10559.76,7504.05 ; C2.2@11626.26,5891.32 v2(11655.74,5891.32) ; v1(11720.09,8240.59) R1034.2@11740.54,8240.59
  BOTTOM w15: v2(10582.75,6316.85) C5.2@10613.04,6316.85
  BOTTOM w20: C67.2@7258.04,5815.85 7258.04,5843.85 v2(7259.04,5844.85) ; C76.1@7258.8,5990.46 C78.2@7258.8,6030.46 v2(7289.8,6030.46) ; v2(7258.8,6079.46) C80.2@7258.8,6110.46 ; v2(7258.8,6196.96) C77.2@7258.8,6230.46 ; v2(7258.8,6269.46) C79.2@7258.8,6305.46 ; C73.2@7285.3,5932.96 v2(7285.3,5963.96) ; v2(7430.8,6370.96) C75.2@7430.8,6402.46 ; v2(7438.8,6307.46) C72.2@7470.8,6307.46 ; C71.2@7483.8,5930.96 v2(7483.8,5959.96) ; C68.2@7510.8,5812.46 v2(7510.8,5842.96) ; v2(7586.8,5901.96) C74.2@7643.3,5901.96 ; v2(7642.8,6266.96) C69.2@7642.8,6330.46 ; C66.2@7783.8,6130.46 v2(7831.8,6130.46) ; v2(8099.04,5534.85) C191.2@8099.04,5570.85 ; C193.2@10291.04,9636.85 v2(10322.04,9636.85) ; v2(10327.04,5538.85) C190.2@10327.04,5568.85 ; v2(10636.04,7130.85) C54.2@10636.04,7159.85 ; v2(10687.04,7130.85) C56.2@10687.04,7159.85 ; v2(10695.98,6125.68) 10708.15,6113.51 C22.2@10743.51,6113.51 ; v2(10786.04,6273.85) 10804.04,6291.85 C8.2@10804.04,6340.85 ; v2(10814.04,6422.85) C9.2@10814.04,6452.85 ; v2(10868.04,6013.85) C1.2@10868.04,6108.85 ; v2(10923.04,6370.85) 10938.04,6355.85 C10.2@10938.04,6342.85 ; v2(10971.04,6451.85) C11.2@11002.04,6451.85 ; C16.2@10973.04,6342.85 10973.04,6349.85 C13.2@11002.04,6378.85 v2(11027.04,6378.85) ; C14.2@11010.04,6266.85 11010.04,6267.85 11025.04,6282.85 v2(11025.04,6290.85) ; C228.2@11064.27,7099.14 11081.33,7099.14 v2(11096.04,7113.85) ; C15.2@11114.04,6325.85 11127.46,6325.85 v2(11152.75,6351.14)
  other v1: 7240.03,6937.23 7290.03,6937.23 7340.03,6937.23 7290.03,6987.23 7240.03,7037.23 7340.03,7037.23 7242.02,7658.24 7292.02,7658.24 7342.02,7658.24 7292.02,7708.24 7342.02,7708.24 7242.02,7758.24 7342.02,7758.24 11013.06,8062.46 11113.06,8062.46 11069.33,8062.76 11013.06,8112.46 11063.06,8112.46 11013.06,8162.46 11063.06,8162.46 11113.06,8162.46 7290.02,8379.24 7340.02,8379.24 7290.02,8429.24 7340.02,8429.24 7240.02,8479.24 7283.75,8478.94 7290.02,9090.24 7340.02,9090.24 7340.02,9140.24 7240.02,9190.24 7283.75,9189.94
  other v2: 10497.04,6419.85 10532.04,6419.85 10462.04,6454.85 10497.04,6454.85 10532.04,6454.85 10462.04,6489.85 10497.04,6489.85 8714.7,6503.32 8992.7,6551.32 9064.7,6551.32 8901.7,6582.32 8762.7,6592.32 11096.04,7043.85 11131.04,7043.85 11096.04,7078.85 11131.04,7113.85 11131.04,7148.85 11166.04,7148.85 10641.04,7288.85 10676.04,7288.85 10711.04,7288.85 10676.04,7323.85 10711.04,7323.85 10711.04,7358.85 10711.04,7393.85 9873.04,7548.85 9146.7,8418.32 9209.7,8420.32 9293.7,8438.32 9098.7,8481.32 8879.7,8577.32 9405.7,8593.32 8951.7,8620.32 9048.7,8620.32 9147.7,8621.32 9249.7,8621.32 8707.7,8731.32 8923.7,8739.32
HDMI-VCC1: F1.2 J9.18 R53.2 R54.2 | length 763.6
  TOP w10: v2(6567.04,6207.85) 6572.38,6213.19 J9.18@6677.23,6213.19 ; R54.2@6993.06,5897.55 R53.2@6993.06,5930.51 v2(7015.89,5930.51)
  BOTTOM w15: v2(6567.04,6207.85) 6567.04,6180.85 6583.54,6164.35 6584.04,6164.35 F1.2@6609.54,6138.85 6609.54,6111.79 6753.48,5967.85 6978.55,5967.85 v2(7015.89,5930.51)
HP_DET: J9.19 R47.2 R52.1 | length 1205
  TOP w6: v2(6599.04,6232.88) J9.19@6677.23,6232.88
  BOTTOM w6: v2(6599.04,6232.88) 6522.07,6232.88 6486.04,6196.85 6486.04,5929.85 6595.29,5820.6 7111.08,5820.6 7118.8,5828.32 R52.1@7136.8,5828.32 R47.2@7136.8,5795.6
IO1_1N: CON2.51 RN1.3 | length 2979.5
  TOP w6: v1(9225.48,8484.32) 9226.67,8485.51 CON2.51@9226.67,8529.5
  BOTTOM w6: v1(9225.48,8484.32) 9229.7,8480.1 9229.7,7111.32 10061.54,6279.48 10061.54,5935.12 10052.79,5926.37 RN1.3@10052.79,5900.43
IO1_1P: CON2.53 RN1.4 | length 2979.3
  TOP w6: CON2.53@9246.35,8529.5 9246.36,8485.44 v1(9247.48,8484.32)
  BOTTOM w6: v1(9247.48,8484.32) 9243.7,8480.54 9243.7,7117.12 10075.54,6285.28 10075.54,5935.12 10084.29,5926.37 RN1.4@10084.29,5900.43